# KiCad board PANEL_DRY_ELECTRODES.kicad_pcb (continued)
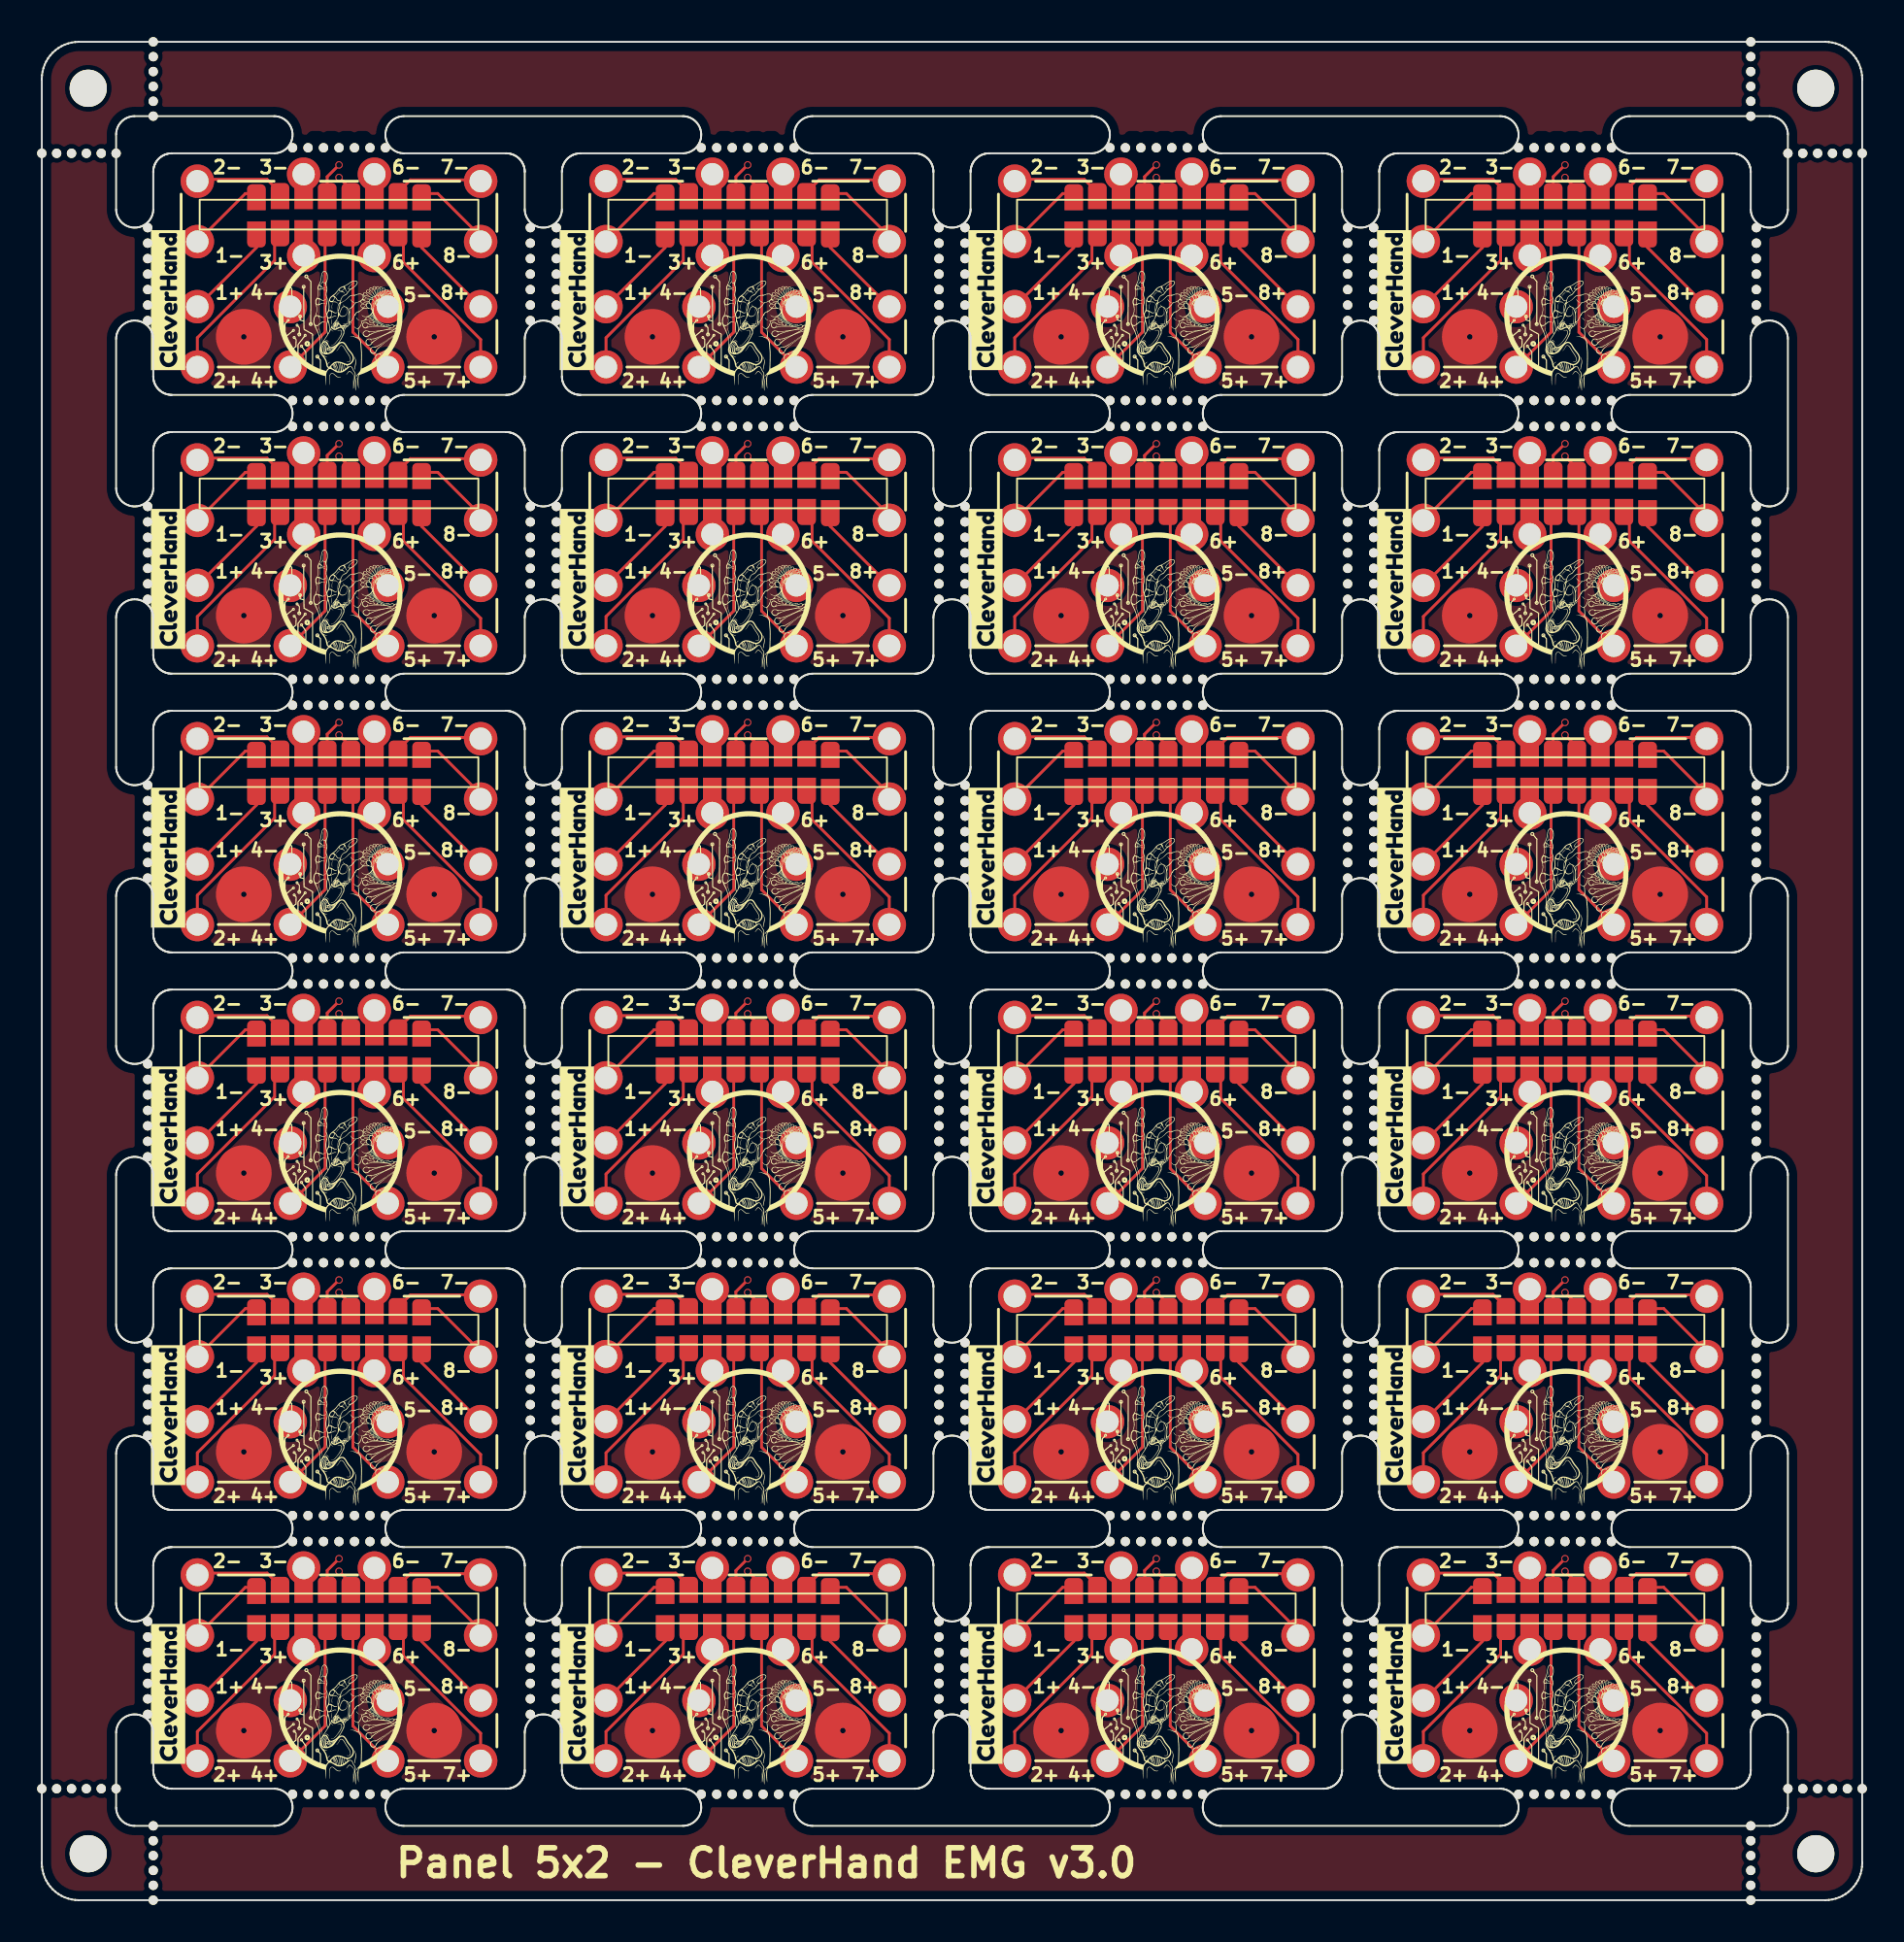
[diagram p0: board, top side]
## Placement (name value [footprint] x y rotation side) (continued)
J30#9  Conn_01x01_Pin  [Pin_D1.2mm_pogo]  17.9 13.5 0 top
J30#10  Conn_01x01_Pin  [Pin_D1.2mm_pogo]  39.9 13.5 0 top
J30#11  Conn_01x01_Pin  [Pin_D1.2mm_pogo]  83.9 43.5 0 top
J30#12  Conn_01x01_Pin  [Pin_D1.2mm_pogo]  83.9 13.5 0 top
J30#13  Conn_01x01_Pin  [Pin_D1.2mm_pogo]  39.9 43.5 0 top
J30#14  Conn_01x01_Pin  [Pin_D1.2mm_pogo]  61.9 58.5 0 top
J30#15  Conn_01x01_Pin  [Pin_D1.2mm_pogo]  83.9 73.5 0 top
J30#16  Conn_01x01_Pin  [Pin_D1.2mm_pogo]  17.9 73.5 0 top
J30#17  Conn_01x01_Pin  [Pin_D1.2mm_pogo]  83.9 28.5 0 top
J30#18  Conn_01x01_Pin  [Pin_D1.2mm_pogo]  39.9 73.5 0 top
J30#19  Conn_01x01_Pin  [Pin_D1.2mm_pogo]  17.9 28.5 0 top
J30#20  Conn_01x01_Pin  [Pin_D1.2mm_pogo]  83.9 88.5 0 top
J30#21  Conn_01x01_Pin  [Pin_D1.2mm_pogo]  61.9 28.5 0 top
J30#22  Conn_01x01_Pin  [Pin_D1.2mm_pogo]  61.9 73.5 0 top
J30#23  Conn_01x01_Pin  [Pin_D1.2mm_pogo]  17.9 88.5 0 top
J30#24  Conn_01x01_Pin  [Pin_D1.2mm_pogo]  17.9 58.5 0 top
J31  Conn_01x01_Pin  [Pin_D1.2mm_pogo]  67.62 37.5 0 top
J31#2  Conn_01x01_Pin  [Pin_D1.2mm_pogo]  23.62 82.5 0 top
J31#3  Conn_01x01_Pin  [Pin_D1.2mm_pogo]  45.62 37.5 0 top
J31#4  Conn_01x01_Pin  [Pin_D1.2mm_pogo]  89.62 22.5 0 top
J31#5  Conn_01x01_Pin  [Pin_D1.2mm_pogo]  23.62 37.5 0 top
J31#6  Conn_01x01_Pin  [Pin_D1.2mm_pogo]  67.62 67.5 0 top
J31#7  Conn_01x01_Pin  [Pin_D1.2mm_pogo]  89.62 82.5 0 top
J31#8  Conn_01x01_Pin  [Pin_D1.2mm_pogo]  67.62 82.5 0 top
J31#9  Conn_01x01_Pin  [Pin_D1.2mm_pogo]  67.62 7.5 0 top
J31#10  Conn_01x01_Pin  [Pin_D1.2mm_pogo]  67.62 52.5 0 top
J31#11  Conn_01x01_Pin  [Pin_D1.2mm_pogo]  67.62 22.5 0 top
J31#12  Conn_01x01_Pin  [Pin_D1.2mm_pogo]  23.62 52.5 0 top
J31#13  Conn_01x01_Pin  [Pin_D1.2mm_pogo]  45.62 67.5 0 top
J31#14  Conn_01x01_Pin  [Pin_D1.2mm_pogo]  89.62 37.5 0 top
J31#15  Conn_01x01_Pin  [Pin_D1.2mm_pogo]  89.62 7.5 0 top
J31#16  Conn_01x01_Pin  [Pin_D1.2mm_pogo]  23.62 22.5 0 top
J31#17  Conn_01x01_Pin  [Pin_D1.2mm_pogo]  23.62 7.5 0 top
J31#18  Conn_01x01_Pin  [Pin_D1.2mm_pogo]  45.62 82.5 0 top
J31#19  Conn_01x01_Pin  [Pin_D1.2mm_pogo]  45.62 7.5 0 top
J31#20  Conn_01x01_Pin  [Pin_D1.2mm_pogo]  89.62 67.5 0 top
J31#21  Conn_01x01_Pin  [Pin_D1.2mm_pogo]  89.62 52.5 0 top
J31#22  Conn_01x01_Pin  [Pin_D1.2mm_pogo]  45.62 22.5 0 top
J31#23  Conn_01x01_Pin  [Pin_D1.2mm_pogo]  45.62 52.5 0 top
J31#24  Conn_01x01_Pin  [Pin_D1.2mm_pogo]  23.62 67.5 0 top
J32  Conn_01x01_Pin  [Pin_D1.2mm_pogo]  23.62 70.75 0 top
J32#2  Conn_01x01_Pin  [Pin_D1.2mm_pogo]  45.62 10.75 0 top
J32#3  Conn_01x01_Pin  [Pin_D1.2mm_pogo]  45.62 55.75 0 top
J32#4  Conn_01x01_Pin  [Pin_D1.2mm_pogo]  45.62 85.75 0 top
J32#5  Conn_01x01_Pin  [Pin_D1.2mm_pogo]  89.62 40.75 0 top
J32#6  Conn_01x01_Pin  [Pin_D1.2mm_pogo]  45.62 40.75 0 top
J32#7  Conn_01x01_Pin  [Pin_D1.2mm_pogo]  89.62 10.75 0 top
J32#8  Conn_01x01_Pin  [Pin_D1.2mm_pogo]  45.62 70.75 0 top
J32#9  Conn_01x01_Pin  [Pin_D1.2mm_pogo]  23.62 40.75 0 top
J32#10  Conn_01x01_Pin  [Pin_D1.2mm_pogo]  67.62 40.75 0 top
J32#11  Conn_01x01_Pin  [Pin_D1.2mm_pogo]  23.62 10.75 0 top
J32#12  Conn_01x01_Pin  [Pin_D1.2mm_pogo]  23.62 55.75 0 top
J32#13  Conn_01x01_Pin  [Pin_D1.2mm_pogo]  89.62 85.75 0 top
J32#14  Conn_01x01_Pin  [Pin_D1.2mm_pogo]  89.62 55.75 0 top
J32#15  Conn_01x01_Pin  [Pin_D1.2mm_pogo]  89.62 25.75 0 top
J32#16  Conn_01x01_Pin  [Pin_D1.2mm_pogo]  67.62 10.75 0 top
J32#17  Conn_01x01_Pin  [Pin_D1.2mm_pogo]  67.62 85.75 0 top
J32#18  Conn_01x01_Pin  [Pin_D1.2mm_pogo]  23.62 85.75 0 top
J32#19  Conn_01x01_Pin  [Pin_D1.2mm_pogo]  45.62 25.75 0 top
J32#20  Conn_01x01_Pin  [Pin_D1.2mm_pogo]  67.62 25.75 0 top
J32#21  Conn_01x01_Pin  [Pin_D1.2mm_pogo]  89.62 70.75 0 top
J32#22  Conn_01x01_Pin  [Pin_D1.2mm_pogo]  67.62 55.75 0 top
J32#23  Conn_01x01_Pin  [Pin_D1.2mm_pogo]  23.62 25.75 0 top
J32#24  Conn_01x01_Pin  [Pin_D1.2mm_pogo]  67.62 70.75 0 top
kibuzzard-660706DE  G***  [kibuzzard-660706DE]  50.8 11.1 90 top
kibuzzard-660706DE#2  G***  [kibuzzard-660706DE]  6.8 41.1 90 top
kibuzzard-660706DE#3  G***  [kibuzzard-660706DE]  72.8 26.1 90 top
kibuzzard-660706DE#4  G***  [kibuzzard-660706DE]  6.8 11.1 90 top
kibuzzard-660706DE#5  G***  [kibuzzard-660706DE]  6.8 86.1 90 top
kibuzzard-660706DE#6  G***  [kibuzzard-660706DE]  28.8 56.1 90 top
kibuzzard-660706DE#7  G***  [kibuzzard-660706DE]  28.8 26.1 90 top
kibuzzard-660706DE#8  G***  [kibuzzard-660706DE]  72.8 41.1 90 top
kibuzzard-660706DE#9  G***  [kibuzzard-660706DE]  72.8 56.1 90 top
kibuzzard-660706DE#10  G***  [kibuzzard-660706DE]  72.8 11.1 90 top
kibuzzard-660706DE#11  G***  [kibuzzard-660706DE]  72.8 71.1 90 top
kibuzzard-660706DE#12  G***  [kibuzzard-660706DE]  50.8 26.1 90 top
kibuzzard-660706DE#13  G***  [kibuzzard-660706DE]  50.8 86.1 90 top
kibuzzard-660706DE#14  G***  [kibuzzard-660706DE]  50.8 41.1 90 top
kibuzzard-660706DE#15  G***  [kibuzzard-660706DE]  6.8 71.1 90 top
kibuzzard-660706DE#16  G***  [kibuzzard-660706DE]  50.8 56.1 90 top
kibuzzard-660706DE#17  G***  [kibuzzard-660706DE]  28.8 41.1 90 top
kibuzzard-660706DE#18  G***  [kibuzzard-660706DE]  28.8 11.1 90 top
kibuzzard-660706DE#19  G***  [kibuzzard-660706DE]  6.8 56.1 90 top
kibuzzard-660706DE#20  G***  [kibuzzard-660706DE]  50.8 71.1 90 top
kibuzzard-660706DE#21  G***  [kibuzzard-660706DE]  28.8 71.1 90 top
kibuzzard-660706DE#22  G***  [kibuzzard-660706DE]  6.8 26.1 90 top
kibuzzard-660706DE#23  G***  [kibuzzard-660706DE]  72.8 86.1 90 top
kibuzzard-660706DE#24  G***  [kibuzzard-660706DE]  28.8 86.1 90 top
KiKit_MB_1_1  -  [NPTH]  5.7 85 0 top
KiKit_MB_1_2  -  [NPTH]  5.7 85.83 0 top
KiKit_MB_1_3  -  [NPTH]  5.7 86.67 0 top
KiKit_MB_1_4  -  [NPTH]  5.7 87.5 0 top
KiKit_MB_1_5  -  [NPTH]  5.7 88.33 0 top
KiKit_MB_1_6  -  [NPTH]  5.7 89.17 0 top
KiKit_MB_1_7  -  [NPTH]  5.7 90 0 top
KiKit_MB_2_1  -  [NPTH]  26.3 90 0 top
KiKit_MB_2_2  -  [NPTH]  26.3 89.17 0 top
KiKit_MB_2_3  -  [NPTH]  26.3 88.33 0 top
KiKit_MB_2_4  -  [NPTH]  26.3 87.5 0 top
KiKit_MB_2_5  -  [NPTH]  26.3 86.67 0 top
KiKit_MB_2_6  -  [NPTH]  26.3 85.83 0 top
KiKit_MB_2_7  -  [NPTH]  26.3 85 0 top
KiKit_MB_3_1  -  [NPTH]  13.5 94.3 0 top
KiKit_MB_3_2  -  [NPTH]  14.33 94.3 0 top
KiKit_MB_3_3  -  [NPTH]  15.17 94.3 0 top
KiKit_MB_3_4  -  [NPTH]  16 94.3 0 top
KiKit_MB_3_5  -  [NPTH]  16.83 94.3 0 top
KiKit_MB_3_6  -  [NPTH]  17.67 94.3 0 top
KiKit_MB_3_7  -  [NPTH]  18.5 94.3 0 top
KiKit_MB_4_1  -  [NPTH]  18.5 80.7 0 top
KiKit_MB_4_2  -  [NPTH]  17.67 80.7 0 top
KiKit_MB_4_3  -  [NPTH]  16.83 80.7 0 top
KiKit_MB_4_4  -  [NPTH]  16 80.7 0 top
KiKit_MB_4_5  -  [NPTH]  15.17 80.7 0 top
KiKit_MB_4_6  -  [NPTH]  14.33 80.7 0 top
KiKit_MB_4_7  -  [NPTH]  13.5 80.7 0 top
KiKit_MB_5_1  -  [NPTH]  27.7 85 0 top
KiKit_MB_5_2  -  [NPTH]  27.7 85.83 0 top
KiKit_MB_5_3  -  [NPTH]  27.7 86.67 0 top
KiKit_MB_5_4  -  [NPTH]  27.7 87.5 0 top
KiKit_MB_5_5  -  [NPTH]  27.7 88.33 0 top
KiKit_MB_5_6  -  [NPTH]  27.7 89.17 0 top
KiKit_MB_5_7  -  [NPTH]  27.7 90 0 top
KiKit_MB_6_1  -  [NPTH]  48.3 90 0 top
KiKit_MB_6_2  -  [NPTH]  48.3 89.17 0 top
KiKit_MB_6_3  -  [NPTH]  48.3 88.33 0 top
KiKit_MB_6_4  -  [NPTH]  48.3 87.5 0 top
KiKit_MB_6_5  -  [NPTH]  48.3 86.67 0 top
KiKit_MB_6_6  -  [NPTH]  48.3 85.83 0 top
KiKit_MB_6_7  -  [NPTH]  48.3 85 0 top
KiKit_MB_7_1  -  [NPTH]  35.5 94.3 0 top
KiKit_MB_7_2  -  [NPTH]  36.33 94.3 0 top
KiKit_MB_7_3  -  [NPTH]  37.17 94.3 0 top
KiKit_MB_7_4  -  [NPTH]  38 94.3 0 top
KiKit_MB_7_5  -  [NPTH]  38.83 94.3 0 top
KiKit_MB_7_6  -  [NPTH]  39.67 94.3 0 top
KiKit_MB_7_7  -  [NPTH]  40.5 94.3 0 top
KiKit_MB_8_1  -  [NPTH]  40.5 80.7 0 top
KiKit_MB_8_2  -  [NPTH]  39.67 80.7 0 top
KiKit_MB_8_3  -  [NPTH]  38.83 80.7 0 top
KiKit_MB_8_4  -  [NPTH]  38 80.7 0 top
KiKit_MB_8_5  -  [NPTH]  37.17 80.7 0 top
KiKit_MB_8_6  -  [NPTH]  36.33 80.7 0 top
KiKit_MB_8_7  -  [NPTH]  35.5 80.7 0 top
KiKit_MB_9_1  -  [NPTH]  49.7 85 0 top
KiKit_MB_9_2  -  [NPTH]  49.7 85.83 0 top
KiKit_MB_9_3  -  [NPTH]  49.7 86.67 0 top
KiKit_MB_9_4  -  [NPTH]  49.7 87.5 0 top
KiKit_MB_9_5  -  [NPTH]  49.7 88.33 0 top
KiKit_MB_9_6  -  [NPTH]  49.7 89.17 0 top
KiKit_MB_9_7  -  [NPTH]  49.7 90 0 top
KiKit_MB_10_1  -  [NPTH]  70.3 90 0 top
KiKit_MB_10_2  -  [NPTH]  70.3 89.17 0 top
KiKit_MB_10_3  -  [NPTH]  70.3 88.33 0 top
KiKit_MB_10_4  -  [NPTH]  70.3 87.5 0 top
KiKit_MB_10_5  -  [NPTH]  70.3 86.67 0 top
KiKit_MB_10_6  -  [NPTH]  70.3 85.83 0 top
KiKit_MB_10_7  -  [NPTH]  70.3 85 0 top
KiKit_MB_11_1  -  [NPTH]  57.5 94.3 0 top
KiKit_MB_11_2  -  [NPTH]  58.33 94.3 0 top
KiKit_MB_11_3  -  [NPTH]  59.17 94.3 0 top
KiKit_MB_11_4  -  [NPTH]  60 94.3 0 top
KiKit_MB_11_5  -  [NPTH]  60.83 94.3 0 top
KiKit_MB_11_6  -  [NPTH]  61.67 94.3 0 top
KiKit_MB_11_7  -  [NPTH]  62.5 94.3 0 top
KiKit_MB_12_1  -  [NPTH]  62.5 80.7 0 top
KiKit_MB_12_2  -  [NPTH]  61.67 80.7 0 top
KiKit_MB_12_3  -  [NPTH]  60.83 80.7 0 top
KiKit_MB_12_4  -  [NPTH]  60 80.7 0 top
KiKit_MB_12_5  -  [NPTH]  59.17 80.7 0 top
KiKit_MB_12_6  -  [NPTH]  58.33 80.7 0 top
KiKit_MB_12_7  -  [NPTH]  57.5 80.7 0 top
KiKit_MB_13_1  -  [NPTH]  71.7 85 0 top
KiKit_MB_13_2  -  [NPTH]  71.7 85.83 0 top
KiKit_MB_13_3  -  [NPTH]  71.7 86.67 0 top
KiKit_MB_13_4  -  [NPTH]  71.7 87.5 0 top
KiKit_MB_13_5  -  [NPTH]  71.7 88.33 0 top
KiKit_MB_13_6  -  [NPTH]  71.7 89.17 0 top
KiKit_MB_13_7  -  [NPTH]  71.7 90 0 top
KiKit_MB_14_1  -  [NPTH]  92.3 90 0 top
KiKit_MB_14_2  -  [NPTH]  92.3 89.17 0 top
KiKit_MB_14_3  -  [NPTH]  92.3 88.33 0 top
KiKit_MB_14_4  -  [NPTH]  92.3 87.5 0 top
KiKit_MB_14_5  -  [NPTH]  92.3 86.67 0 top
KiKit_MB_14_6  -  [NPTH]  92.3 85.83 0 top
KiKit_MB_14_7  -  [NPTH]  92.3 85 0 top
KiKit_MB_15_1  -  [NPTH]  79.5 94.3 0 top
KiKit_MB_15_2  -  [NPTH]  80.33 94.3 0 top
KiKit_MB_15_3  -  [NPTH]  81.17 94.3 0 top
KiKit_MB_15_4  -  [NPTH]  82 94.3 0 top
KiKit_MB_15_5  -  [NPTH]  82.83 94.3 0 top
KiKit_MB_15_6  -  [NPTH]  83.67 94.3 0 top
KiKit_MB_15_7  -  [NPTH]  84.5 94.3 0 top
KiKit_MB_16_1  -  [NPTH]  84.5 80.7 0 top
KiKit_MB_16_2  -  [NPTH]  83.67 80.7 0 top
KiKit_MB_16_3  -  [NPTH]  82.83 80.7 0 top
KiKit_MB_16_4  -  [NPTH]  82 80.7 0 top
KiKit_MB_16_5  -  [NPTH]  81.17 80.7 0 top
KiKit_MB_16_6  -  [NPTH]  80.33 80.7 0 top
KiKit_MB_16_7  -  [NPTH]  79.5 80.7 0 top
KiKit_MB_17_1  -  [NPTH]  5.7 70 0 top
KiKit_MB_17_2  -  [NPTH]  5.7 70.83 0 top
KiKit_MB_17_3  -  [NPTH]  5.7 71.67 0 top
KiKit_MB_17_4  -  [NPTH]  5.7 72.5 0 top
KiKit_MB_17_5  -  [NPTH]  5.7 73.33 0 top
KiKit_MB_17_6  -  [NPTH]  5.7 74.17 0 top
KiKit_MB_17_7  -  [NPTH]  5.7 75 0 top
KiKit_MB_18_1  -  [NPTH]  26.3 75 0 top
KiKit_MB_18_2  -  [NPTH]  26.3 74.17 0 top
KiKit_MB_18_3  -  [NPTH]  26.3 73.33 0 top
KiKit_MB_18_4  -  [NPTH]  26.3 72.5 0 top
KiKit_MB_18_5  -  [NPTH]  26.3 71.67 0 top
KiKit_MB_18_6  -  [NPTH]  26.3 70.83 0 top
KiKit_MB_18_7  -  [NPTH]  26.3 70 0 top
KiKit_MB_19_1  -  [NPTH]  13.5 79.3 0 top
KiKit_MB_19_2  -  [NPTH]  14.33 79.3 0 top
KiKit_MB_19_3  -  [NPTH]  15.17 79.3 0 top
KiKit_MB_19_4  -  [NPTH]  16 79.3 0 top
KiKit_MB_19_5  -  [NPTH]  16.83 79.3 0 top
KiKit_MB_19_6  -  [NPTH]  17.67 79.3 0 top
KiKit_MB_19_7  -  [NPTH]  18.5 79.3 0 top
KiKit_MB_20_1  -  [NPTH]  18.5 65.7 0 top
KiKit_MB_20_2  -  [NPTH]  17.67 65.7 0 top
KiKit_MB_20_3  -  [NPTH]  16.83 65.7 0 top
KiKit_MB_20_4  -  [NPTH]  16 65.7 0 top
KiKit_MB_20_5  -  [NPTH]  15.17 65.7 0 top
KiKit_MB_20_6  -  [NPTH]  14.33 65.7 0 top
KiKit_MB_20_7  -  [NPTH]  13.5 65.7 0 top
KiKit_MB_21_1  -  [NPTH]  27.7 70 0 top
KiKit_MB_21_2  -  [NPTH]  27.7 70.83 0 top
KiKit_MB_21_3  -  [NPTH]  27.7 71.67 0 top
KiKit_MB_21_4  -  [NPTH]  27.7 72.5 0 top
KiKit_MB_21_5  -  [NPTH]  27.7 73.33 0 top
KiKit_MB_21_6  -  [NPTH]  27.7 74.17 0 top
KiKit_MB_21_7  -  [NPTH]  27.7 75 0 top
KiKit_MB_22_1  -  [NPTH]  48.3 75 0 top
KiKit_MB_22_2  -  [NPTH]  48.3 74.17 0 top
KiKit_MB_22_3  -  [NPTH]  48.3 73.33 0 top
KiKit_MB_22_4  -  [NPTH]  48.3 72.5 0 top
KiKit_MB_22_5  -  [NPTH]  48.3 71.67 0 top
KiKit_MB_22_6  -  [NPTH]  48.3 70.83 0 top
KiKit_MB_22_7  -  [NPTH]  48.3 70 0 top
KiKit_MB_23_1  -  [NPTH]  35.5 79.3 0 top
KiKit_MB_23_2  -  [NPTH]  36.33 79.3 0 top
KiKit_MB_23_3  -  [NPTH]  37.17 79.3 0 top
KiKit_MB_23_4  -  [NPTH]  38 79.3 0 top
KiKit_MB_23_5  -  [NPTH]  38.83 79.3 0 top
KiKit_MB_23_6  -  [NPTH]  39.67 79.3 0 top
KiKit_MB_23_7  -  [NPTH]  40.5 79.3 0 top
KiKit_MB_24_1  -  [NPTH]  40.5 65.7 0 top
KiKit_MB_24_2  -  [NPTH]  39.67 65.7 0 top
KiKit_MB_24_3  -  [NPTH]  38.83 65.7 0 top
KiKit_MB_24_4  -  [NPTH]  38 65.7 0 top
KiKit_MB_24_5  -  [NPTH]  37.17 65.7 0 top
KiKit_MB_24_6  -  [NPTH]  36.33 65.7 0 top
KiKit_MB_24_7  -  [NPTH]  35.5 65.7 0 top
KiKit_MB_25_1  -  [NPTH]  49.7 70 0 top
KiKit_MB_25_2  -  [NPTH]  49.7 70.83 0 top
KiKit_MB_25_3  -  [NPTH]  49.7 71.67 0 top
KiKit_MB_25_4  -  [NPTH]  49.7 72.5 0 top
KiKit_MB_25_5  -  [NPTH]  49.7 73.33 0 top
KiKit_MB_25_6  -  [NPTH]  49.7 74.17 0 top
KiKit_MB_25_7  -  [NPTH]  49.7 75 0 top
KiKit_MB_26_1  -  [NPTH]  70.3 75 0 top
KiKit_MB_26_2  -  [NPTH]  70.3 74.17 0 top
KiKit_MB_26_3  -  [NPTH]  70.3 73.33 0 top
KiKit_MB_26_4  -  [NPTH]  70.3 72.5 0 top
KiKit_MB_26_5  -  [NPTH]  70.3 71.67 0 top
KiKit_MB_26_6  -  [NPTH]  70.3 70.83 0 top
KiKit_MB_26_7  -  [NPTH]  70.3 70 0 top
KiKit_MB_27_1  -  [NPTH]  57.5 79.3 0 top
KiKit_MB_27_2  -  [NPTH]  58.33 79.3 0 top
KiKit_MB_27_3  -  [NPTH]  59.17 79.3 0 top
KiKit_MB_27_4  -  [NPTH]  60 79.3 0 top
KiKit_MB_27_5  -  [NPTH]  60.83 79.3 0 top
KiKit_MB_27_6  -  [NPTH]  61.67 79.3 0 top
KiKit_MB_27_7  -  [NPTH]  62.5 79.3 0 top
KiKit_MB_28_1  -  [NPTH]  62.5 65.7 0 top
KiKit_MB_28_2  -  [NPTH]  61.67 65.7 0 top
KiKit_MB_28_3  -  [NPTH]  60.83 65.7 0 top
KiKit_MB_28_4  -  [NPTH]  60 65.7 0 top
KiKit_MB_28_5  -  [NPTH]  59.17 65.7 0 top
KiKit_MB_28_6  -  [NPTH]  58.33 65.7 0 top
KiKit_MB_28_7  -  [NPTH]  57.5 65.7 0 top
KiKit_MB_29_1  -  [NPTH]  71.7 70 0 top
KiKit_MB_29_2  -  [NPTH]  71.7 70.83 0 top
KiKit_MB_29_3  -  [NPTH]  71.7 71.67 0 top
KiKit_MB_29_4  -  [NPTH]  71.7 72.5 0 top
KiKit_MB_29_5  -  [NPTH]  71.7 73.33 0 top
KiKit_MB_29_6  -  [NPTH]  71.7 74.17 0 top
KiKit_MB_29_7  -  [NPTH]  71.7 75 0 top
KiKit_MB_30_1  -  [NPTH]  92.3 75 0 top
KiKit_MB_30_2  -  [NPTH]  92.3 74.17 0 top
KiKit_MB_30_3  -  [NPTH]  92.3 73.33 0 top
KiKit_MB_30_4  -  [NPTH]  92.3 72.5 0 top
KiKit_MB_30_5  -  [NPTH]  92.3 71.67 0 top
KiKit_MB_30_6  -  [NPTH]  92.3 70.83 0 top
KiKit_MB_30_7  -  [NPTH]  92.3 70 0 top
KiKit_MB_31_1  -  [NPTH]  79.5 79.3 0 top
KiKit_MB_31_2  -  [NPTH]  80.33 79.3 0 top
KiKit_MB_31_3  -  [NPTH]  81.17 79.3 0 top
KiKit_MB_31_4  -  [NPTH]  82 79.3 0 top
KiKit_MB_31_5  -  [NPTH]  82.83 79.3 0 top
KiKit_MB_31_6  -  [NPTH]  83.67 79.3 0 top
KiKit_MB_31_7  -  [NPTH]  84.5 79.3 0 top
KiKit_MB_32_1  -  [NPTH]  84.5 65.7 0 top
KiKit_MB_32_2  -  [NPTH]  83.67 65.7 0 top
KiKit_MB_32_3  -  [NPTH]  82.83 65.7 0 top
KiKit_MB_32_4  -  [NPTH]  82 65.7 0 top
KiKit_MB_32_5  -  [NPTH]  81.17 65.7 0 top
KiKit_MB_32_6  -  [NPTH]  80.33 65.7 0 top
KiKit_MB_32_7  -  [NPTH]  79.5 65.7 0 top
KiKit_MB_33_1  -  [NPTH]  5.7 55 0 top
KiKit_MB_33_2  -  [NPTH]  5.7 55.83 0 top
KiKit_MB_33_3  -  [NPTH]  5.7 56.67 0 top
KiKit_MB_33_4  -  [NPTH]  5.7 57.5 0 top
KiKit_MB_33_5  -  [NPTH]  5.7 58.33 0 top
KiKit_MB_33_6  -  [NPTH]  5.7 59.17 0 top
KiKit_MB_33_7  -  [NPTH]  5.7 60 0 top
KiKit_MB_34_1  -  [NPTH]  26.3 60 0 top
KiKit_MB_34_2  -  [NPTH]  26.3 59.17 0 top
KiKit_MB_34_3  -  [NPTH]  26.3 58.33 0 top
KiKit_MB_34_4  -  [NPTH]  26.3 57.5 0 top
KiKit_MB_34_5  -  [NPTH]  26.3 56.67 0 top
KiKit_MB_34_6  -  [NPTH]  26.3 55.83 0 top
KiKit_MB_34_7  -  [NPTH]  26.3 55 0 top
KiKit_MB_35_1  -  [NPTH]  13.5 64.3 0 top
KiKit_MB_35_2  -  [NPTH]  14.33 64.3 0 top
KiKit_MB_35_3  -  [NPTH]  15.17 64.3 0 top
KiKit_MB_35_4  -  [NPTH]  16 64.3 0 top
KiKit_MB_35_5  -  [NPTH]  16.83 64.3 0 top
KiKit_MB_35_6  -  [NPTH]  17.67 64.3 0 top
KiKit_MB_35_7  -  [NPTH]  18.5 64.3 0 top
KiKit_MB_36_1  -  [NPTH]  18.5 50.7 0 top
KiKit_MB_36_2  -  [NPTH]  17.67 50.7 0 top
KiKit_MB_36_3  -  [NPTH]  16.83 50.7 0 top
KiKit_MB_36_4  -  [NPTH]  16 50.7 0 top
KiKit_MB_36_5  -  [NPTH]  15.17 50.7 0 top
KiKit_MB_36_6  -  [NPTH]  14.33 50.7 0 top
KiKit_MB_36_7  -  [NPTH]  13.5 50.7 0 top
KiKit_MB_37_1  -  [NPTH]  27.7 55 0 top
KiKit_MB_37_2  -  [NPTH]  27.7 55.83 0 top
KiKit_MB_37_3  -  [NPTH]  27.7 56.67 0 top
KiKit_MB_37_4  -  [NPTH]  27.7 57.5 0 top
KiKit_MB_37_5  -  [NPTH]  27.7 58.33 0 top
KiKit_MB_37_6  -  [NPTH]  27.7 59.17 0 top
KiKit_MB_37_7  -  [NPTH]  27.7 60 0 top
KiKit_MB_38_1  -  [NPTH]  48.3 60 0 top
KiKit_MB_38_2  -  [NPTH]  48.3 59.17 0 top
KiKit_MB_38_3  -  [NPTH]  48.3 58.33 0 top
KiKit_MB_38_4  -  [NPTH]  48.3 57.5 0 top
KiKit_MB_38_5  -  [NPTH]  48.3 56.67 0 top
KiKit_MB_38_6  -  [NPTH]  48.3 55.83 0 top
KiKit_MB_38_7  -  [NPTH]  48.3 55 0 top
KiKit_MB_39_1  -  [NPTH]  35.5 64.3 0 top
KiKit_MB_39_2  -  [NPTH]  36.33 64.3 0 top
KiKit_MB_39_3  -  [NPTH]  37.17 64.3 0 top
KiKit_MB_39_4  -  [NPTH]  38 64.3 0 top
KiKit_MB_39_5  -  [NPTH]  38.83 64.3 0 top
KiKit_MB_39_6  -  [NPTH]  39.67 64.3 0 top
KiKit_MB_39_7  -  [NPTH]  40.5 64.3 0 top
KiKit_MB_40_1  -  [NPTH]  40.5 50.7 0 top
KiKit_MB_40_2  -  [NPTH]  39.67 50.7 0 top
KiKit_MB_40_3  -  [NPTH]  38.83 50.7 0 top
KiKit_MB_40_4  -  [NPTH]  38 50.7 0 top
KiKit_MB_40_5  -  [NPTH]  37.17 50.7 0 top
KiKit_MB_40_6  -  [NPTH]  36.33 50.7 0 top
KiKit_MB_40_7  -  [NPTH]  35.5 50.7 0 top
KiKit_MB_41_1  -  [NPTH]  49.7 55 0 top
KiKit_MB_41_2  -  [NPTH]  49.7 55.83 0 top
KiKit_MB_41_3  -  [NPTH]  49.7 56.67 0 top
KiKit_MB_41_4  -  [NPTH]  49.7 57.5 0 top
KiKit_MB_41_5  -  [NPTH]  49.7 58.33 0 top
KiKit_MB_41_6  -  [NPTH]  49.7 59.17 0 top
KiKit_MB_41_7  -  [NPTH]  49.7 60 0 top
KiKit_MB_42_1  -  [NPTH]  70.3 60 0 top
KiKit_MB_42_2  -  [NPTH]  70.3 59.17 0 top
KiKit_MB_42_3  -  [NPTH]  70.3 58.33 0 top
KiKit_MB_42_4  -  [NPTH]  70.3 57.5 0 top
KiKit_MB_42_5  -  [NPTH]  70.3 56.67 0 top
KiKit_MB_42_6  -  [NPTH]  70.3 55.83 0 top
KiKit_MB_42_7  -  [NPTH]  70.3 55 0 top
KiKit_MB_43_1  -  [NPTH]  57.5 64.3 0 top
KiKit_MB_43_2  -  [NPTH]  58.33 64.3 0 top
KiKit_MB_43_3  -  [NPTH]  59.17 64.3 0 top
KiKit_MB_43_4  -  [NPTH]  60 64.3 0 top
KiKit_MB_43_5  -  [NPTH]  60.83 64.3 0 top
KiKit_MB_43_6  -  [NPTH]  61.67 64.3 0 top
KiKit_MB_43_7  -  [NPTH]  62.5 64.3 0 top
KiKit_MB_44_1  -  [NPTH]  62.5 50.7 0 top
KiKit_MB_44_2  -  [NPTH]  61.67 50.7 0 top
KiKit_MB_44_3  -  [NPTH]  60.83 50.7 0 top
KiKit_MB_44_4  -  [NPTH]  60 50.7 0 top
KiKit_MB_44_5  -  [NPTH]  59.17 50.7 0 top
KiKit_MB_44_6  -  [NPTH]  58.33 50.7 0 top
KiKit_MB_44_7  -  [NPTH]  57.5 50.7 0 top
KiKit_MB_45_1  -  [NPTH]  71.7 55 0 top
KiKit_MB_45_2  -  [NPTH]  71.7 55.83 0 top
KiKit_MB_45_3  -  [NPTH]  71.7 56.67 0 top
KiKit_MB_45_4  -  [NPTH]  71.7 57.5 0 top
KiKit_MB_45_5  -  [NPTH]  71.7 58.33 0 top
KiKit_MB_45_6  -  [NPTH]  71.7 59.17 0 top
KiKit_MB_45_7  -  [NPTH]  71.7 60 0 top
KiKit_MB_46_1  -  [NPTH]  92.3 60 0 top
KiKit_MB_46_2  -  [NPTH]  92.3 59.17 0 top
KiKit_MB_46_3  -  [NPTH]  92.3 58.33 0 top
KiKit_MB_46_4  -  [NPTH]  92.3 57.5 0 top
KiKit_MB_46_5  -  [NPTH]  92.3 56.67 0 top
KiKit_MB_46_6  -  [NPTH]  92.3 55.83 0 top
KiKit_MB_46_7  -  [NPTH]  92.3 55 0 top
KiKit_MB_47_1  -  [NPTH]  79.5 64.3 0 top
KiKit_MB_47_2  -  [NPTH]  80.33 64.3 0 top
KiKit_MB_47_3  -  [NPTH]  81.17 64.3 0 top
KiKit_MB_47_4  -  [NPTH]  82 64.3 0 top
KiKit_MB_47_5  -  [NPTH]  82.83 64.3 0 top
KiKit_MB_47_6  -  [NPTH]  83.67 64.3 0 top
KiKit_MB_47_7  -  [NPTH]  84.5 64.3 0 top
KiKit_MB_48_1  -  [NPTH]  84.5 50.7 0 top
KiKit_MB_48_2  -  [NPTH]  83.67 50.7 0 top
KiKit_MB_48_3  -  [NPTH]  82.83 50.7 0 top
KiKit_MB_48_4  -  [NPTH]  82 50.7 0 top
KiKit_MB_48_5  -  [NPTH]  81.17 50.7 0 top
KiKit_MB_48_6  -  [NPTH]  80.33 50.7 0 top
KiKit_MB_48_7  -  [NPTH]  79.5 50.7 0 top
KiKit_MB_49_1  -  [NPTH]  5.7 40 0 top
KiKit_MB_49_2  -  [NPTH]  5.7 40.83 0 top
KiKit_MB_49_3  -  [NPTH]  5.7 41.67 0 top
KiKit_MB_49_4  -  [NPTH]  5.7 42.5 0 top
KiKit_MB_49_5  -  [NPTH]  5.7 43.33 0 top
KiKit_MB_49_6  -  [NPTH]  5.7 44.17 0 top
KiKit_MB_49_7  -  [NPTH]  5.7 45 0 top
KiKit_MB_50_1  -  [NPTH]  26.3 45 0 top
KiKit_MB_50_2  -  [NPTH]  26.3 44.17 0 top
KiKit_MB_50_3  -  [NPTH]  26.3 43.33 0 top
KiKit_MB_50_4  -  [NPTH]  26.3 42.5 0 top
KiKit_MB_50_5  -  [NPTH]  26.3 41.67 0 top
KiKit_MB_50_6  -  [NPTH]  26.3 40.83 0 top
KiKit_MB_50_7  -  [NPTH]  26.3 40 0 top
KiKit_MB_51_1  -  [NPTH]  13.5 49.3 0 top
KiKit_MB_51_2  -  [NPTH]  14.33 49.3 0 top
KiKit_MB_51_3  -  [NPTH]  15.17 49.3 0 top
KiKit_MB_51_4  -  [NPTH]  16 49.3 0 top
KiKit_MB_51_5  -  [NPTH]  16.83 49.3 0 top
KiKit_MB_51_6  -  [NPTH]  17.67 49.3 0 top
KiKit_MB_51_7  -  [NPTH]  18.5 49.3 0 top
KiKit_MB_52_1  -  [NPTH]  18.5 35.7 0 top
KiKit_MB_52_2  -  [NPTH]  17.67 35.7 0 top
KiKit_MB_52_3  -  [NPTH]  16.83 35.7 0 top
KiKit_MB_52_4  -  [NPTH]  16 35.7 0 top
KiKit_MB_52_5  -  [NPTH]  15.17 35.7 0 top
KiKit_MB_52_6  -  [NPTH]  14.33 35.7 0 top
KiKit_MB_52_7  -  [NPTH]  13.5 35.7 0 top
KiKit_MB_53_1  -  [NPTH]  27.7 40 0 top
KiKit_MB_53_2  -  [NPTH]  27.7 40.83 0 top
KiKit_MB_53_3  -  [NPTH]  27.7 41.67 0 top
KiKit_MB_53_4  -  [NPTH]  27.7 42.5 0 top
KiKit_MB_53_5  -  [NPTH]  27.7 43.33 0 top
KiKit_MB_53_6  -  [NPTH]  27.7 44.17 0 top
KiKit_MB_53_7  -  [NPTH]  27.7 45 0 top
KiKit_MB_54_1  -  [NPTH]  48.3 45 0 top
KiKit_MB_54_2  -  [NPTH]  48.3 44.17 0 top
KiKit_MB_54_3  -  [NPTH]  48.3 43.33 0 top
KiKit_MB_54_4  -  [NPTH]  48.3 42.5 0 top
KiKit_MB_54_5  -  [NPTH]  48.3 41.67 0 top
KiKit_MB_54_6  -  [NPTH]  48.3 40.83 0 top
KiKit_MB_54_7  -  [NPTH]  48.3 40 0 top
KiKit_MB_55_1  -  [NPTH]  35.5 49.3 0 top
KiKit_MB_55_2  -  [NPTH]  36.33 49.3 0 top
KiKit_MB_55_3  -  [NPTH]  37.17 49.3 0 top
KiKit_MB_55_4  -  [NPTH]  38 49.3 0 top
KiKit_MB_55_5  -  [NPTH]  38.83 49.3 0 top
KiKit_MB_55_6  -  [NPTH]  39.67 49.3 0 top
KiKit_MB_55_7  -  [NPTH]  40.5 49.3 0 top
KiKit_MB_56_1  -  [NPTH]  40.5 35.7 0 top
KiKit_MB_56_2  -  [NPTH]  39.67 35.7 0 top
KiKit_MB_56_3  -  [NPTH]  38.83 35.7 0 top
KiKit_MB_56_4  -  [NPTH]  38 35.7 0 top
KiKit_MB_56_5  -  [NPTH]  37.17 35.7 0 top
KiKit_MB_56_6  -  [NPTH]  36.33 35.7 0 top
KiKit_MB_56_7  -  [NPTH]  35.5 35.7 0 top
KiKit_MB_57_1  -  [NPTH]  49.7 40 0 top
KiKit_MB_57_2  -  [NPTH]  49.7 40.83 0 top
KiKit_MB_57_3  -  [NPTH]  49.7 41.67 0 top
KiKit_MB_57_4  -  [NPTH]  49.7 42.5 0 top
KiKit_MB_57_5  -  [NPTH]  49.7 43.33 0 top
KiKit_MB_57_6  -  [NPTH]  49.7 44.17 0 top
KiKit_MB_57_7  -  [NPTH]  49.7 45 0 top
KiKit_MB_58_1  -  [NPTH]  70.3 45 0 top
KiKit_MB_58_2  -  [NPTH]  70.3 44.17 0 top
KiKit_MB_58_3  -  [NPTH]  70.3 43.33 0 top
KiKit_MB_58_4  -  [NPTH]  70.3 42.5 0 top
KiKit_MB_58_5  -  [NPTH]  70.3 41.67 0 top
KiKit_MB_58_6  -  [NPTH]  70.3 40.83 0 top
KiKit_MB_58_7  -  [NPTH]  70.3 40 0 top
KiKit_MB_59_1  -  [NPTH]  57.5 49.3 0 top
KiKit_MB_59_2  -  [NPTH]  58.33 49.3 0 top
KiKit_MB_59_3  -  [NPTH]  59.17 49.3 0 top
KiKit_MB_59_4  -  [NPTH]  60 49.3 0 top
KiKit_MB_59_5  -  [NPTH]  60.83 49.3 0 top
KiKit_MB_59_6  -  [NPTH]  61.67 49.3 0 top
KiKit_MB_59_7  -  [NPTH]  62.5 49.3 0 top
KiKit_MB_60_1  -  [NPTH]  62.5 35.7 0 top
KiKit_MB_60_2  -  [NPTH]  61.67 35.7 0 top
KiKit_MB_60_3  -  [NPTH]  60.83 35.7 0 top
KiKit_MB_60_4  -  [NPTH]  60 35.7 0 top
KiKit_MB_60_5  -  [NPTH]  59.17 35.7 0 top
KiKit_MB_60_6  -  [NPTH]  58.33 35.7 0 top
KiKit_MB_60_7  -  [NPTH]  57.5 35.7 0 top
KiKit_MB_61_1  -  [NPTH]  71.7 40 0 top
KiKit_MB_61_2  -  [NPTH]  71.7 40.83 0 top
KiKit_MB_61_3  -  [NPTH]  71.7 41.67 0 top
KiKit_MB_61_4  -  [NPTH]  71.7 42.5 0 top
KiKit_MB_61_5  -  [NPTH]  71.7 43.33 0 top
KiKit_MB_61_6  -  [NPTH]  71.7 44.17 0 top
KiKit_MB_61_7  -  [NPTH]  71.7 45 0 top
KiKit_MB_62_1  -  [NPTH]  92.3 45 0 top
KiKit_MB_62_2  -  [NPTH]  92.3 44.17 0 top
KiKit_MB_62_3  -  [NPTH]  92.3 43.33 0 top
KiKit_MB_62_4  -  [NPTH]  92.3 42.5 0 top
KiKit_MB_62_5  -  [NPTH]  92.3 41.67 0 top
KiKit_MB_62_6  -  [NPTH]  92.3 40.83 0 top
KiKit_MB_62_7  -  [NPTH]  92.3 40 0 top
KiKit_MB_63_1  -  [NPTH]  79.5 49.3 0 top
KiKit_MB_63_2  -  [NPTH]  80.33 49.3 0 top
KiKit_MB_63_3  -  [NPTH]  81.17 49.3 0 top
KiKit_MB_63_4  -  [NPTH]  82 49.3 0 top
KiKit_MB_63_5  -  [NPTH]  82.83 49.3 0 top
KiKit_MB_63_6  -  [NPTH]  83.67 49.3 0 top
KiKit_MB_63_7  -  [NPTH]  84.5 49.3 0 top
KiKit_MB_64_1  -  [NPTH]  84.5 35.7 0 top
KiKit_MB_64_2  -  [NPTH]  83.67 35.7 0 top
KiKit_MB_64_3  -  [NPTH]  82.83 35.7 0 top
KiKit_MB_64_4  -  [NPTH]  82 35.7 0 top
KiKit_MB_64_5  -  [NPTH]  81.17 35.7 0 top
KiKit_MB_64_6  -  [NPTH]  80.33 35.7 0 top
KiKit_MB_64_7  -  [NPTH]  79.5 35.7 0 top
KiKit_MB_65_1  -  [NPTH]  5.7 25 0 top
KiKit_MB_65_2  -  [NPTH]  5.7 25.83 0 top
KiKit_MB_65_3  -  [NPTH]  5.7 26.67 0 top
KiKit_MB_65_4  -  [NPTH]  5.7 27.5 0 top
KiKit_MB_65_5  -  [NPTH]  5.7 28.33 0 top
KiKit_MB_65_6  -  [NPTH]  5.7 29.17 0 top
KiKit_MB_65_7  -  [NPTH]  5.7 30 0 top
KiKit_MB_66_1  -  [NPTH]  26.3 30 0 top
KiKit_MB_66_2  -  [NPTH]  26.3 29.17 0 top
KiKit_MB_66_3  -  [NPTH]  26.3 28.33 0 top
KiKit_MB_66_4  -  [NPTH]  26.3 27.5 0 top
KiKit_MB_66_5  -  [NPTH]  26.3 26.67 0 top
KiKit_MB_66_6  -  [NPTH]  26.3 25.83 0 top
KiKit_MB_66_7  -  [NPTH]  26.3 25 0 top
KiKit_MB_67_1  -  [NPTH]  13.5 34.3 0 top
KiKit_MB_67_2  -  [NPTH]  14.33 34.3 0 top